# KiCad board fitis.kicad_pcb
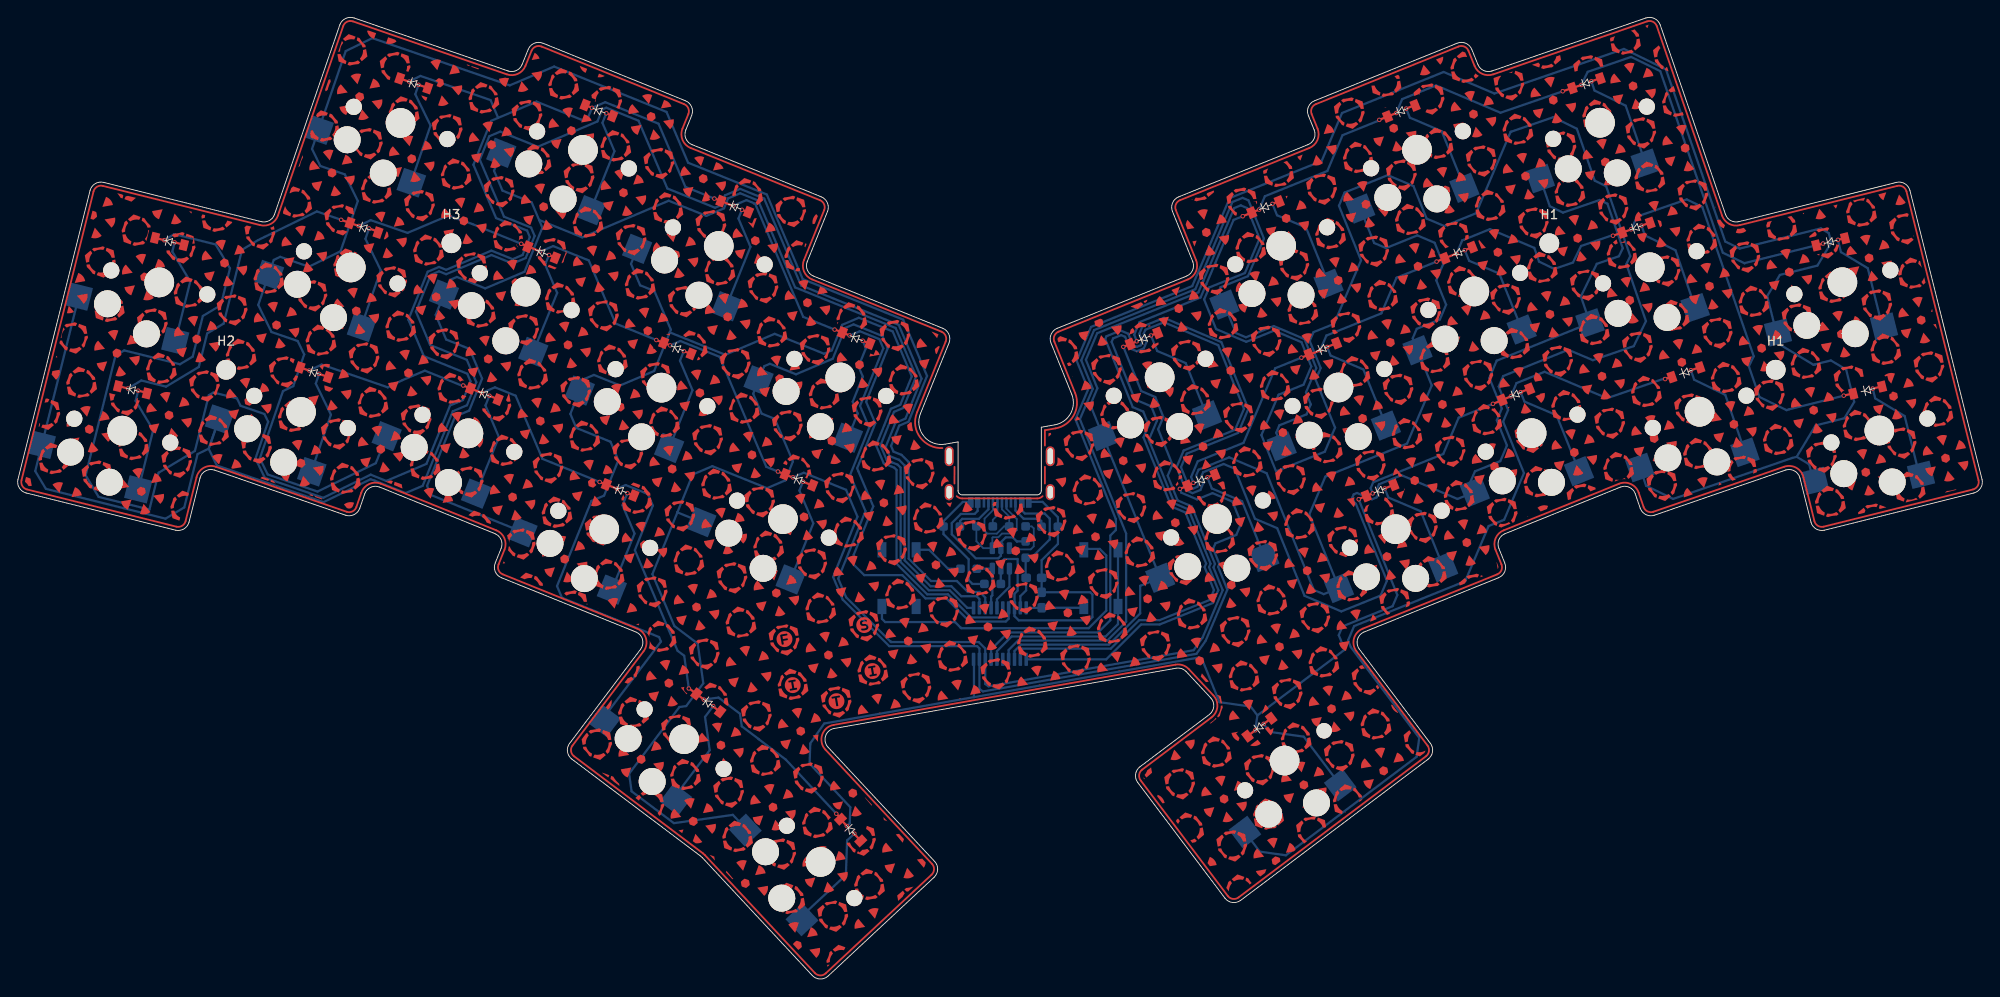
[diagram p0: board, top side]
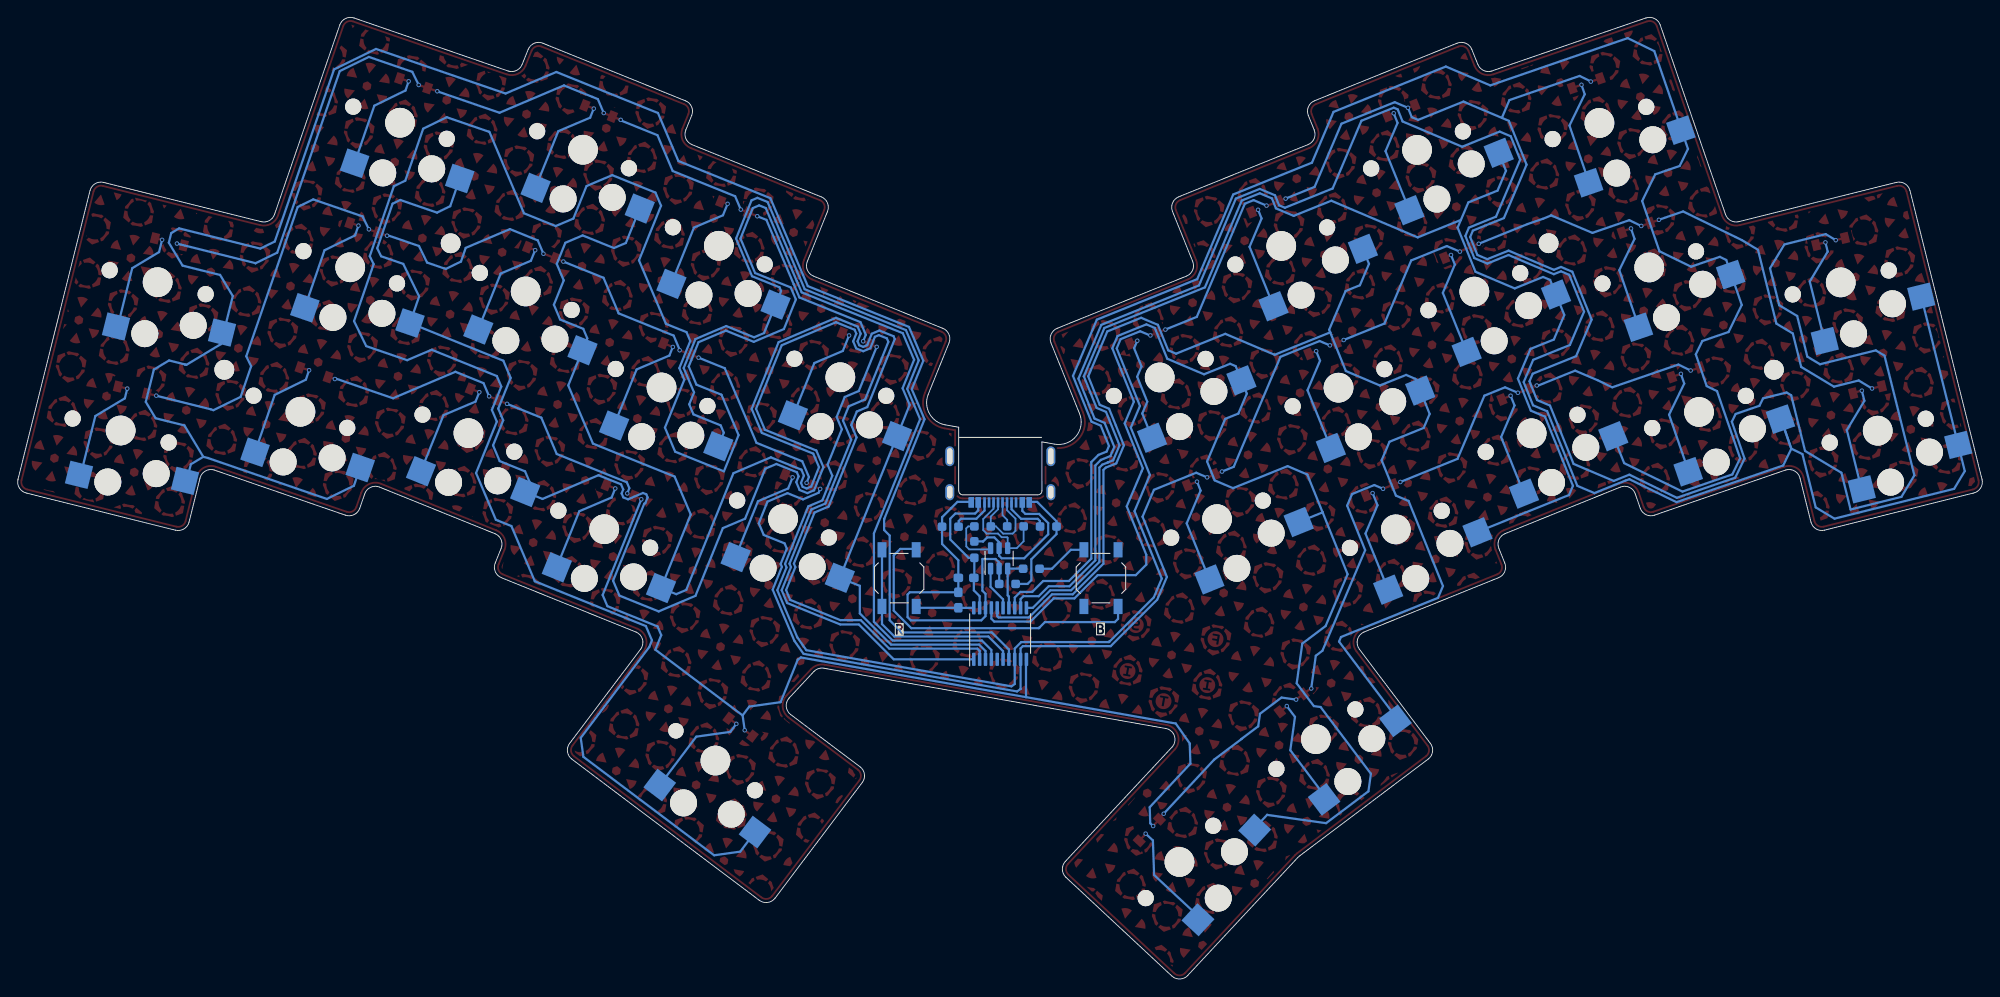
[diagram p1: board, bottom side, seen from below]

Outline 218.32 x 106.9 mm; copper layers: Top, Bottom. Coordinates in mm from the lower left corner of the outline.
Outline path: 0.91,54.06 arc(0.14,54.63) 0,55.58 8.01,87.7 arc(8.58,88.46) 9.52,88.61 27.03,84.24 arc(27.93,84.36) 28.51,85.05 ; 0.91,54.06 17.5,49.93 arc(18.45,50.07) 19.02,50.84 20.24,55.72 arc(20.85,56.52) 21.86,56.6 36.4,51.59 arc(37.36,51.65) 37.99,52.37 38.54,53.97 arc(39.21,54.7) 40.19,54.72 53.02,49.54 arc(53.7,48.87) 53.71,47.91 53.05,46.27 arc(53.05,45.31) 53.74,44.64 68.68,38.6 arc(69.42,37.78) 69.21,36.69 61.32,26.21 arc(61.08,25.28) 61.56,24.46 75.89,13.66 arc(75.97,13.59) 76.05,13.52 88.29,0.4 arc(89.16,0) 90.05,0.34 101.83,11.32 arc(102.23,12.19) 101.89,13.08 90.04,25.79 arc(89.77,27.04) 90.74,27.87 128.73,34.57 arc(129.34,34.53) 129.86,34.19 132.59,31.27 arc(132.92,30.31) 132.42,29.42 124.72,23.61 arc(124.23,22.78) 124.47,21.86 134.16,9 arc(134.98,8.51) 135.91,8.75 156.75,24.46 arc(157.24,25.28) 157,26.21 149.1,36.69 arc(148.9,37.78) 149.63,38.6 164.58,44.64 arc(165.26,45.31) 165.27,46.27 164.61,47.91 arc(164.62,48.87) 165.3,49.54 178.12,54.72 arc(179.11,54.7) 179.77,53.97 180.32,52.37 arc(180.96,51.65) 181.91,51.59 196.46,56.6 arc(197.46,56.52) 198.08,55.72 199.3,50.84 arc(199.87,50.07) 200.81,49.93 217.41,54.06 arc(218.17,54.63) 218.32,55.58 210.31,87.7 arc(209.74,88.46) 208.79,88.61 191.29,84.24 arc(190.39,84.36) 189.8,85.05 ; 28.51,85.05 35.77,106.12 arc(36.4,106.84) 37.36,106.9 54.47,101 arc(55.39,101.05) 56.04,101.72 56.71,103.4 ; 56.71,103.4 arc(57.39,104.08) 58.34,104.09 74.2,97.68 arc(74.88,97.01) 74.89,96.06 74.23,94.43 arc(74.24,93.48) 74.92,92.81 89.29,87 arc(89.98,86.33) 89.98,85.37 87.74,79.81 arc(87.75,78.85) 88.43,78.18 102.8,72.38 arc(103.48,71.71) 103.49,70.75 100.32,62.89 arc(100.69,60.38) 103.07,59.49 104.5,59.74 ; 104.5,59.74 104.5,54.32 ; 104.96,53.85 113.29,53.85 ; 113.75,61.37 115.25,61.64 arc(117,62.89) 117.13,65.04 114.83,70.75 arc(114.83,71.71) 115.52,72.38 129.89,78.18 arc(130.57,78.85) 130.58,79.81 128.33,85.37 arc(128.34,86.33) 129.02,87 143.39,92.81 arc(144.08,93.48) 144.08,94.43 143.43,96.06 arc(143.44,97.01) 144.12,97.68 159.97,104.09 arc(160.93,104.08) 161.6,103.4 162.28,101.72 arc(162.92,101.05) 163.85,101 180.96,106.9 arc(181.91,106.84) 182.54,106.12 189.8,85.05 ; 113.75,54.31 113.75,61.37
Stack: Top 0.035mm / dielectric 1.51mm FR4 er 4.5 / Bottom 0.035mm

## Placement (name value [footprint] x y rotation side)
C1  100nF  [C_0603_HandSolder]  113.79 42.15 90 bottom
C2  100nF  [C_0603_HandSolder]  112.93 44.62 0 bottom
D1  D_Small  [D_SOD-123]  43.99 99.63 341 top
D2  D_Small  [D_SOD-123]  64.57 96.6 338 top
D3  D_Small  [D_SOD-123]  79.67 85.91 338 top
D4  D_Small  [D_SOD-123]  93.17 71.29 338 top
D5  D_Small  [D_SOD-123]  38.46 83.56 341 top
D6  D_Small  [D_SOD-123]  58.2 80.84 338 top
D7  D_Small  [D_SOD-123]  73.3 70.15 338 top
D8  D_Small  [D_SOD-123]  86.8 55.53 338 top
D9  D_Small  [D_SOD-123]  12.72 65.54 346 top
D10  D_Small  [D_SOD-123]  32.92 67.49 341 top
D11  D_Small  [D_SOD-123]  51.83 65.07 338 top
D12  D_Small  [D_SOD-123]  66.93 54.39 338 top
D13  D_Small  [D_SOD-123]  16.84 82.03 346 top
D14  D_Small  [D_SOD-123]  76.73 30.72 323 top
D15  D_Small  [D_SOD-123]  92.56 16.57 313 top
D16  D_Small  [D_SOD-123]  137.99 28.01 37 top
D17  D_Small  [D_SOD-123]  125.17 71.24 22 top
D18  D_Small  [D_SOD-123]  138.67 85.87 22 top
D19  D_Small  [D_SOD-123]  153.77 96.55 22 top
D20  D_Small  [D_SOD-123]  174.34 99.64 19 top
D21  D_Small  [D_SOD-123]  179.87 83.56 19 top
D22  D_Small  [D_SOD-123]  160.14 80.79 22 top
D23  D_Small  [D_SOD-123]  145.04 70.11 22 top
D24  D_Small  [D_SOD-123]  131.53 55.48 22 top
D25  D_Small  [D_SOD-123]  151.41 54.34 22 top
D26  D_Small  [D_SOD-123]  166.5 65.03 22 top
D27  D_Small  [D_SOD-123]  185.41 67.49 19 top
D28  D_Small  [D_SOD-123]  205.6 65.5 14 top
D29  D_Small  [D_SOD-123]  201.49 82 14 top
H1  MountingHole  [MountingHole_2.2mm_M2]  195.38 67.77 0 top
H1#2  MountingHole  [MountingHole_2.2mm_M2]  170.22 81.84 0 top
H2  MountingHole  [MountingHole_2.2mm_M2]  23.13 67.77 0 top
H3  MountingHole  [MountingHole_2.2mm_M2]  48.18 81.84 0 top
J1  USB_C_Receptacle_USB2.0  [USB-C-12-Pin-MidMount]  109.13 60.25 180 bottom
R1  0R  [R_0603_HandSolder]  107.45 50.35 0 bottom
R2  5.1k  [R_0603_HandSolder]  103.79 50.33 180 bottom
R3  5.1k  [R_0603_HandSolder]  114.68 50.31 0 bottom
R4  10k  [R_0603_HandSolder]  105.68 45.64 180 bottom
R5  0R  [R_0603_HandSolder]  111.1 50.35 0 bottom
R6  0R  [R_0603_HandSolder]  112.01 47.76 90 bottom
R7  0R  [R_0603_HandSolder]  108.33 43.95 180 bottom
SW1  SW_Push  [ChocV1_V2_Hotswap_3d]  42.53 95.22 341 top
SW2  SW_Push  [ChocV1_V2_Hotswap_3d]  62.8 92.22 338 top
SW3  SW_Push  [ChocV1_V2_Hotswap_3d]  77.9 81.54 338 top
SW4  SW_Push  [ChocV1_V2_Hotswap_3d]  91.4 66.91 338 top
SW5  SW_Push  [ChocV1_V2_Hotswap_3d]  36.99 79.15 341 top
SW6  SW_Push  [ChocV1_V2_Hotswap_3d]  56.43 76.46 338 top
SW7  SW_Push  [ChocV1_V2_Hotswap_3d]  71.53 65.77 338 top
SW8  SW_Push  [ChocV1_V2_Hotswap_3d]  85.03 51.15 338 top
SW9  SW_Push  [ChocV1_V2_Hotswap_3d]  11.59 60.99 346 top
SW10  SW_Push  [ChocV1_V2_Hotswap_3d]  31.46 63.07 341 top
SW11  SW_Push  [ChocV1_V2_Hotswap_3d]  50.06 60.7 338 top
SW12  SW_Push  [ChocV1_V2_Hotswap_3d]  65.16 50.01 338 top
SW13  SW_Push  [ChocV1_V2_Hotswap_3d]  74.05 26.68 323 top
SW14  SW_Push  [ChocV1_V2_Hotswap_3d]  89.21 13.02 313 top
SW15  SW_Push  [ChocV1_V2_Hotswap_1.5u_3d]  140.79 24.3 37 top
SW16  SW_Push  [ChocV1_V2_Hotswap_3d]  202.79 77.51 14 top
SW17  SW_Push  [ChocV1_V2_Hotswap_3d]  153.15 50.03 22 top
SW18  SW_Push  [ChocV1_V2_Hotswap_3d]  168.25 60.72 22 top
SW19  SW_Push  [ChocV1_V2_Hotswap_3d]  186.92 63.09 19 top
SW20  SW_Push  [ChocV1_V2_Hotswap_3d]  206.91 61.01 14 top
SW21  SW_Push  [ChocV1_V2_Hotswap_3d]  133.28 51.17 22 top
SW22  SW_Push  [ChocV1_V2_Hotswap_3d]  146.78 65.79 22 top
SW23  SW_Push  [ChocV1_V2_Hotswap_3d]  161.88 76.48 22 top
SW24  SW_Push  [ChocV1_V2_Hotswap_3d]  181.39 79.17 19 top
SW25  SW_Push  [ChocV1_V2_Hotswap_3d]  126.91 66.93 22 top
SW26  SW_Push  [ChocV1_V2_Hotswap_3d]  140.41 81.56 22 top
SW27  SW_Push  [ChocV1_V2_Hotswap_3d]  155.51 92.24 22 top
SW28  SW_Push  [ChocV1_V2_Hotswap_3d]  175.85 95.24 19 top
SW29  SW_Push  [ChocV1_V2_Hotswap_3d]  15.7 77.48 346 top
SW30  BOOT  [SW_SPST_TL3342]  97.93 44.59 90 bottom
SW31  RESET  [SW_SPST_TL3342]  120.38 44.59 90 bottom
U1  USBLC6-2SC6  [SOT-23-6]  109.26 46.79 90 bottom
U2  ~  [TSSOP-20_4.4x6.5mm_P0.65mm]  109.14 38.42 90 bottom

## Library data of the parts
C1 C2 = -: Description: Unpolarized capacitor; LCSC: C1525
D1-D29 = -: Description: Diode, small symbol; Sim.Device: D; Sim.Pins: 1=K 2=A
H1 H1#2 H2 H3 = -: Description: Mounting Hole without connection
J1 = -: Description: USB 2.0-only Type-C Receptacle connector
R1-R3 R5-R7 = -: Description: Resistor
R4 = -: Description: Resistor; LCSC: C25744
SW1-SW29 = -: Description: Push button switch, generic, two pins
SW30 SW31 = -: Description: Push button switch, generic, two pins; LCSC: C115357
U1 = -: Description: Very low capacitance ESD protection diode, 2 data-line, SOT-23-6; JLCPCB_CORRECTION: 0; 0; 270; LCSC: C2687116
U2 = -: JLCPCB_CORRECTION: 0; 0; 270; LCSC: C111367

## Footprints (pads in the part's own frame, mm; a bottom-side part is the same pattern mirrored in y, then rotated)
C_0603_HandSolder
  rrect 1.075x0.95 smd: 1(-0.863,0) 2(0.863,0)
ChocV1_V2_Hotswap_1.5u_3d
  round 1.8 hole 1.8 unplated: (-5.5,0)
  round 3 hole 3 unplated: (-5,-3.7) (0,-5.9)
  round 3.3 hole 3.3 unplated: (0,0)
  round 1.71 hole 1.71 unplated: (5.5,0)
  rect 2.6x2.6 smd far side: 1(-8.3,-3.7) 2(3.3,-5.9)
ChocV1_V2_Hotswap_3d
  round 1.8 hole 1.8 unplated: (-5.5,0) (5.5,0)
  round 3 hole 3 unplated: (-5,-3.7) (0,-5.9)
  round 3.3 hole 3.3 unplated: (0,0)
  rect 2.6x2.6 smd far side: 1(-8.3,-3.7) 2(3.3,-5.9)
D_SOD-123
  rect 0.9x1.2 smd: 1(-1.65,0) 2(1.65,0)
MountingHole_2.2mm_M2
  round 2.2 hole 2.2 unplated: (0,0)
R_0603_HandSolder
  rrect 0.975x0.95 smd: 1(-0.912,0) 2(0.912,0)
SOT-23-6
  rrect 1.325x0.6 smd: 1(-1.137,0.95) 2(-1.137,0) 3(-1.137,-0.95) 4(1.137,-0.95) 5(1.137,0) 6(1.137,0.95)
SW_SPST_TL3342
  rect 1.7x1 smd: 1(-3.15,1.9) 1(3.15,1.9) 2(-3.15,-1.9) 2(3.15,-1.9)
TSSOP-20_4.4x6.5mm_P0.65mm
  rrect 1.475x0.4 smd: 1(-2.862,2.925) 2(-2.862,2.275) 3(-2.862,1.625) 4(-2.862,0.975) 5(-2.862,0.325) 6(-2.862,-0.325) 7(-2.862,-0.975) 8(-2.862,-1.625) 9(-2.862,-2.275) 10(-2.862,-2.925) 11(2.862,-2.925) 12(2.862,-2.275) 13(2.862,-1.625) 14(2.862,-0.975) 15(2.862,-0.325) 16(2.862,0.325) 17(2.862,0.975) 18(2.862,1.625) 19(2.862,2.275) 20(2.862,2.925)
USB-C-12-Pin-MidMount
  rect 0.6x1.15 smd: A1(3.225,-7.235) A4(2.45,-7.235) A9(-2.45,-7.235) A12(-3.225,-7.235) B1(-3.225,-7.235) B4(-2.45,-7.235) B9(2.45,-7.235) B12(3.225,-7.235)
  rect 0.3x1.15 smd: A5(1.25,-7.235) A6(0.25,-7.235) A7(-0.25,-7.235) A8(-1.25,-7.235) B5(-1.75,-7.235) B6(-0.75,-7.235) B7(0.75,-7.235) B8(1.75,-7.235)
  oval 1x1.8 hole 0.6x1.4: S1(-5.62,-6.1) S1(5.62,-6.1)
  oval 1x2.2 hole 0.6x1.8: S1(-5.62,-2.1) S1(5.62,-2.1)

## Nets
+3.3V: C1.1 SW30.2 SW31.2 U2.20
GND: C1.2 C2.2 J1.A1 J1.A12 J1.B1 J1.B12 R2.2 R3.2 R7.1 R7.2 U1.2 U2.18
VBUS: C2.1 J1.A4 J1.A9 J1.B4 J1.B9 R6.1 R6.2 U1.5 U2.19
BOOT: R4.2 SW30.1
c1: SW9.1 SW10.1 SW29.1 U2.12
c2: SW1.1 SW5.1 SW11.1 U2.13
c3: SW2.1 SW6.1 SW12.1 U2.11
c4: SW3.1 SW7.1 SW13.1 U2.16
c5: SW4.1 SW8.1 SW14.1 U2.17
c6: SW15.1 SW21.1 SW25.1 U2.3
c7: SW22.1 SW26.1 U2.4
c8: SW17.1 SW23.1 SW27.1 U2.2
c9: SW18.1 SW24.1 SW28.1 U2.1
c10: SW16.1 SW19.1 SW20.1 U2.7
CC1: J1.A5 R2.1
CC2: J1.B5 R3.1
PORT+: J1.A6 J1.B6 R1.1 R1.2 U1.4
PORT-: J1.A7 J1.B7 R5.1 R5.2 U1.6
r1: D1.1 D2.1 D3.1 D4.1 D13.1 D17.1 D18.1 D19.1 D20.1 D29.1 U2.8
r2: D5.1 D6.1 D7.1 D8.1 D9.1 D21.1 D22.1 D23.1 D24.1 D28.1 U2.9
r3: D10.1 D11.1 D12.1 D14.1 D15.1 D16.1 D25.1 D26.1 D27.1 U2.10
RST: SW31.1 U2.6
UDM: U1.1 U2.15
UDP: R4.1 U1.3 U2.14
Net-(D1-A): D1.2 SW1.2
Net-(D2-A): D2.2 SW2.2
Net-(D3-A): D3.2 SW3.2
Net-(D4-A): D4.2 SW4.2
Net-(D5-A): D5.2 SW5.2
Net-(D6-A): D6.2 SW6.2
Net-(D7-A): D7.2 SW7.2
Net-(D8-A): D8.2 SW8.2
Net-(D9-A): D9.2 SW9.2
Net-(D10-A): D10.2 SW10.2
Net-(D11-A): D11.2 SW11.2
Net-(D12-A): D12.2 SW12.2
Net-(D13-A): D13.2 SW29.2
Net-(D14-A): D14.2 SW13.2
Net-(D15-A): D15.2 SW14.2
Net-(D16-A): D16.2 SW15.2
Net-(D17-A): D17.2 SW25.2
Net-(D18-A): D18.2 SW26.2
Net-(D19-A): D19.2 SW27.2
Net-(D20-A): D20.2 SW28.2
Net-(D21-A): D21.2 SW24.2
Net-(D22-A): D22.2 SW23.2
Net-(D23-A): D23.2 SW22.2
Net-(D24-A): D24.2 SW21.2
Net-(D25-A): D25.2 SW17.2
Net-(D26-A): D26.2 SW18.2
Net-(D27-A): D27.2 SW19.2
Net-(D28-A): D28.2 SW20.2
Net-(D29-A): D29.2 SW16.2

Pads without a net: J1 A8 B8 S1; U2 5

## Via types
v1: diameter 0.5, hole 0.3, Top to Bottom, 78 vias

## Routing (per net, layer and track width the routed paths; a pad name or vN(x,y) marks a point on that pad's centre or on a via; arc(x,y) is an arc through that point)
+3.3V: length 43
  Bottom w0.25: SW30.2 96.03,40.06 96.39,39.7 104.16,39.7 104.78,39.09 104.78,39.09 104.84,39.02 119.02,39.02 120.97,40.97 120.97,47.11 120.24,47.84 118.48,47.84 ; 118.48,41.54 118.23,41.29 113.64,41.29 113.63,41.28 U2.20
GND: length 55
  Bottom w0.25: R7.1 109.25,45.64 U1.2 109.26,46.33 109.65,46.72 111.12,46.72 111.12,43.2 110.77,42.85 U2.18 110.77,40.36 111.24,39.89 119.07,39.89 119.43,40.25 119.43,42.77 119.19,43.02 113.64,43.02 113.79,43.17 C2.2 113.79,46.58 115.59,48.39 R3.2 115.59,51.37 113.89,53.07 112.35,53.07 ; 105.9,53.07 105.03,53.07 102.88,50.92 R2.2 102.88,49.48 105.68,46.69 105.68,44.37 106.1,43.95 R7.2
VBUS: length 33.1
  Bottom w0.25: R6.2 111.05,48.68 111.04,48.66 110.58,49.12 109.79,49.12 109.26,48.59 U1.5 109.26,47.08 108.98,46.8 106.47,46.8 103.8,49.46 103.8,50.72 104.81,51.73 106.34,51.73 106.68,52.07 J1.A4 ; U2.19 111.42,42.58 112.06,43.23 C2.1 112.01,44.68 R6.1 112.65,46.85 114.69,48.89 114.69,51.2 114.12,51.78 111.93,51.78 111.58,52.13 111.58,53.07
BOOT: length 5.8
  Bottom w0.25: SW30.1 101.28,47.74 103.39,45.64 R4.2
c1: length 238.3
  Bottom w0.25: SW29.1 SW9.1 1.92,56.5 3.1,54.52 16.4,51.21 18.48,52.46 19.96,58.39 21.21,59 22.34,62.3 21.2,58.98 22.1,57.12 33.95,53.04 39.19,55.59 39.64,55.44 43.08,54.05 44.98,54.86 48.34,63.18 48.37,63.17 49.91,63.82 50.94,66.39 49.89,68.87 45.81,70.52 44.23,74.23 45.89,78.33 46.8,78.72 47.6,78.4 52.63,80.53 54.99,79.58 56.44,80.19 57.43,82.65 57.04,83.58 54.02,84.79 51.33,91.13 52.39,93.74 53.61,94.26 57.78,92.57 64.41,95.39 64.95,96.73 65.39,96.92 68.98,95.47 72.18,87.93 77.48,85.79 78.14,86.06 78.58,87.17 80.27,87.89 82.94,86.81 87.04,77.15 97.9,72.76 100.44,66.78 98.65,62.34 97.53,61.86 96.45,59.18 96.88,58.17 97.94,57.74 98.56,57.12 98.56,46.57 101.44,43.69 103.75,43.69 104.85,42.58 106.55,42.58 106.87,42.26 U2.12
c2: length 195.3
  Bottom w0.25: SW11.1 39.77,57.38 33.29,54.22 27.76,56.12 26.88,57.92 29.46,65.39 30.6,65.95 31.81,69.48 31.09,70.96 28.17,71.97 26.71,74.97 28.43,79.98 29.14,80.33 32.33,79.23 35.85,80.95 37.78,86.54 36.33,89.5 33.61,90.43 32.68,92.33 36.43,103.21 39.38,104.65 54.65,99.4 59.59,101.49 72.09,96.45 74.48,90.8 83.24,87.26 87.23,77.85 98.39,73.34 101.05,67.08 98.99,61.99 97.96,61.55 97.04,59.29 97.31,58.66 98.21,58.3 99.01,57.5 99.01,46.76 101.49,44.27 104.36,44.27 105.58,43.06 106.89,43.06 107.52,42.43 U2.13
c3: length 153.6
  Bottom w0.25: SW2.1 52.91,89.9 53.85,87.69 57.1,86.38 57.93,84.43 ; 57.93,84.43 62.72,82.49 72.33,86.57 76.51,84.88 78.48,85.72 78.93,86.83 80.28,87.4 82.28,86.59 86.38,76.93 97.56,72.41 99.84,67.04 98.42,63.53 97.38,63.08 95.87,59.36 96.58,57.7 97.18,57.46 97.78,57.21 98.11,56.88 98.11,46.38 101.26,43.24 103.56,43.24 105.51,41.28 U2.11 ; 57.93,84.43 58.29,83.58 56.31,78.67 51.94,76.82 48.79,78.09 48.01,77.76 46.43,73.86 47.59,71.13 50.19,70.08 51.59,66.78 50.15,63.22 48.58,62.55 45.47,54.86 45.9,53.84 56.06,49.73 SW12.1
c4: length 149
  Bottom w0.25: SW3.1 68.14,79.55 69.15,77.16 70.74,76.52 72.57,72.22 72.45,71.92 ; U2.16 109.47,40.37 109.32,40.21 105.95,40.21 103.38,42.79 101.07,42.79 97.66,46.2 97.66,56.63 97.41,56.88 96.24,57.35 95.38,59.36 96.28,61.56 97.03,63.43 98.07,63.87 99.35,67.03 97.23,72.03 93.46,73.55 91.61,72.76 90.46,69.93 89.58,69.55 84.11,71.76 78.62,69.43 72.46,71.93 72.45,71.92 ; 72.45,71.92 70.71,67.63 66.92,66.02 64.01,67.19 62.97,66.75 SW7.1 61.4,62.86 62.06,61.29 65.86,59.76 66.74,57.7 65.15,53.77 63.74,53.17 59.92,43.71 60.47,42.39 71.26,38.04 71.47,37.53 65.08,29.05
c5: length 149.2
  Bottom w0.25: U2.17 110.12,40.08 109.81,39.76 105.76,39.76 103.19,42.34 100.88,42.34 98.3,44.92 94.06,44.92 92.9,46.09 92.9,47.19 95.07,52.57 93.41,56.48 93.28,56.8 95.3,61.81 94.28,64.22 96.67,70.15 96.09,71.52 92.88,72.82 91.95,72.42 90.57,69 86.48,67.26 83.58,68.43 82.96,68.17 SW4.1 81.72,65.11 82.66,62.89 84.13,62.3 86.14,57.56 85.29,55.46 83.25,54.6 77.19,57.05 75,56.12 73.3,51.9 ; 73.3,51.9 70.52,45.03 72.97,39.26 75.56,37.3 76.18,32.89 74.27,30.36 73.52,30.25 67.93,22.84 68.2,20.88 72.91,17.34 79.46,18.26 79.47,18.25 80.73,16.9 ; 73.3,51.9 73.3,51.9 ; 73.3,51.9 73.3,51.9 ; 73.3,51.9 SW8.1
c6: length 316.9
  Bottom w0.25: U2.3 110.77,36.49 111.48,37.2 121.27,37.2 124.74,40.67 124.74,43.73 124.74,43.73 SW21.1 SW25.1 119.2,63.85 119.99,65.71 118.7,68.88 119.96,71.84 131.21,76.38 131.73,77.62 131.74,77.62 135.2,85.76 135.92,86.05 136.64,85.75 138.01,82.36 136.38,78.52 132.42,76.92 131.85,75.59 133.18,72.3 136.53,70.87 139.63,72.12 142.67,70.83 143.76,68.13 142.9,66.11 140.12,64.99 138.22,60.5 139.85,56.47 145.27,58.66 146.4,61.33 144.25,66.65 144.8,67.95 143.59,70.96 144.01,71.95 146.29,72.88 149.29,79.94 146.83,86.01 147.46,87.48 152.25,89.41 155.12,88.2 156.58,84.58 158.54,83.75 162.07,85.18 165.91,94.22 165.98,94.25 170.65,95.86 173.28,94.58 175.27,88.8 176.54,88.18 179.22,80.4 178.78,79.51 180.96,73.18 179.61,70.4 175.05,68.83 172.32,69.99 165.09,67.07 164.59,65.9 165.64,63.3 165.09,62 167.4,56.28 165.2,51.08 163.47,50.39 160.87,44.25 148.52,39.26 147.85,37.67 148.15,36.93 155.76,26.82 155.47,24.71 140.93,13.76 138.03,14.17 SW15.1
c7: length 115.3
  Bottom w0.25: U2.4 110.12,36.6 111.17,37.65 121.08,37.65 123.17,39.74 123.17,49.56 118.04,62.27 119.47,65.65 118.19,68.82 119.62,72.18 130.87,76.73 131.39,77.96 131.4,77.97 134.99,86.43 136.13,86.89 136.78,86.61 138.5,82.36 136.72,78.18 133.67,76.94 133.49,76.52 SW26.1 135.38,71.85 136.49,71.38 139.59,72.63 143.02,71.17 144.32,67.96 143.17,65.25 143.7,63.92 143.23,62.81 140.21,61.59 139.86,60.76 SW22.1
c8: length 183.7
  Bottom w0.25: SW27.1 150.75,81.86 152.07,81.31 155.55,82.71 157.47,81.89 158.43,79.53 157.65,77.71 158.75,75 158.05,73.36 155.48,72.32 155.03,71.26 SW23.1 157.15,66.02 154.41,59.56 145.33,55.89 143.54,51.67 SW17.1 145.14,42.81 144.04,43.28 138.8,56.26 134.63,58.03 131.23,56.65 130.95,55.99 131.28,55.18 131.09,54.74 130.65,54.57 130.14,54.78 129.28,56.93 129.92,58.44 135.63,60.75 136.76,63.42 133.77,70.84 127.39,73.54 124.98,72.57 124.65,71.79 124.99,70.93 124.81,70.49 124.36,70.32 123.93,70.5 123.41,71.77 122.57,72.13 120.99,71.5 120.86,71.18 123.91,63.61 125.08,63.12 125.69,61.61 125.11,60.24 128.21,52.55 129.78,51.89 132.07,46.21 131.9,45.82 132.94,43.26 132.48,42.17 126.91,39.92 124.64,39.92 121.47,36.75 111.67,36.75 111.42,36.5 U2.2
c9: length 210.1
  Bottom w0.25: SW28.1 170.27,85.96 171.73,85.25 175.82,86.65 176.68,86.23 178.38,81.28 177.95,80.39 175.49,79.54 173.73,75.92 SW24.1 164.37,68.78 163.56,66.86 164.93,63.45 164.38,62.15 165.51,59.35 164.77,57.61 161.95,56.47 161.47,55.33 SW18.1 160.01,53.4 153.79,56.04 151.28,55.03 151.04,54.45 151.22,54.01 151.03,53.57 150.5,53.36 148.84,54.06 148.48,53.91 148.33,53.56 148.58,52.92 148.71,52.87 152.17,44.31 151.47,42.65 147.1,40.89 143.01,42.62 139.97,50.15 137.5,51.2 135.25,56.77 134.01,57.29 131.74,56.37 131.54,55.91 131.8,55.27 131.44,54.4 130.57,54.05 129.83,54.36 128.79,56.93 129.58,58.79 135.29,61.1 136.28,63.42 133.42,70.49 127.38,73.06 125.32,72.22 125.13,71.78 125.48,70.93 125.15,70.15 124.36,69.83 123.58,70.16 123.06,71.43 122.63,71.62 121.73,71.26 121.57,70.87 124.15,64.47 125.97,63.7 126.61,62.12 125.7,59.97 128.56,52.89 130.12,52.23 132.56,46.2 132.39,45.81 133.43,43.25 132.82,41.83 126.9,39.43 124.85,39.43 120.97,35.56 U2.1
c10: length 222.8
  Bottom w0.25: 197.72,58.08 199.82,61.58 203.02,62.38 204.11,64.19 203.22,67.78 201.52,68.8 199.77,68.37 199.76,68.35 199.6,68.31 195.77,70.61 194.44,75.97 195.85,78.31 200.02,79.35 201.55,81.9 201.29,82.97 200.41,83.49 191.38,81.25 189.78,82.03 183.18,101.18 178.52,103.45 164.12,98.49 158.47,100.89 147.18,96.33 144.91,90.99 134.69,86.86 131.06,78.32 131.05,78.31 130.52,77.08 119.28,72.53 117.68,68.77 118.96,65.6 117.55,62.26 122.02,51.19 122.04,51.17 122.04,49.94 121.42,49.32 121.42,39.9 120.07,38.55 110.07,38.55 108.17,36.65 U2.7 ; 197.72,58.08 197.21,57.96 183.98,53.4 180.98,54.86 SW19.1 ; 197.72,58.08 199.11,57.25 199.57,55.39
CC1: length 5.1
  Bottom w0.25: 107.88,53.07 107.88,52.25 106.81,51.19 104.97,51.19 104.73,50.95 104.73,50.35
CC2: length 4.9
  Bottom w0.25: 110.88,53.07 110.88,52.11 111.79,51.2 113.5,51.2 113.75,50.95 113.75,50.33
PORT+: length 14.5
  Bottom w0.2: R1.2 108.36,51.08 108.88,51.6 108.88,53.07 ; R1.1 106.53,48.69 107.3,47.92 U1.4 108.31,49.08 108.37,49.14 108.97,49.14 109.38,49.55 110.64,49.55 111.03,49.94 111.03,51.16 109.88,52.31 109.88,53.07
PORT-: length 15.8
  Bottom w0.2: 109.38,53.07 109.38,52.25 110.18,51.44 R5.1 109.61,50.35 108.8,49.54 107.76,49.54 107.44,49.86 107.44,51.21 108.38,52.15 108.38,53.07 ; R5.2 112.69,50.35 112.91,50.12 112.91,48.12 112.58,47.79 110.34,47.79 U1.6
r1: length 458.5
  Top w0.25: v1(171.71,98.74) 172.77,99.11 D20.1 173.77,99.44 v1(173.77,99.44) ; v1(16.25,82.18) 16.25,82.18 D13.1 ; v1(63.81,96.9) D2.1 ; v1(92.44,71.59) D4.1 90.8,72.25 v1(90.77,72.24) ; v1(137.97,85.59) D18.1 137.14,85.25 v1(136.14,84.85) ; v1(122.87,70.32) D17.1 124.36,70.92 v1(124.37,70.94) ; v1(43.48,99.82) 43.47,99.81 42.42,100.18 ; v1(153.2,96.32) 153.2,96.32 D19.1 v1(151.32,95.56) ; v1(79.53,86.03) 79.46,86 D3.1 77.44,86.81 v1(77.41,86.8) ; v1(200.65,81.8) 200.64,81.78 D29.1
  Bottom w0.25: v1(136.14,84.85) 135.12,84.44 132.08,77.27 132.07,77.27 131.45,75.81 124.67,73.07 124.08,71.67 v1(124.37,70.94) ; v1(122.87,70.32) 124.85,65.4 126.42,64.74 127.32,62.51 126.74,61.15 128.32,57.22 127.8,55.98 128.91,53.23 130.47,52.57 133.05,46.17 132.89,45.78 133.91,43.25 131.69,38 130.69,36.58 107.88,32.55 107.51,32.81 ; 53.35,95.77 57.48,97.53 57.64,97.6 62.67,95.56 63.39,95.87 v1(63.81,96.9) 65.28,97.53 71.2,95.13 74.19,88.1 v1(77.41,86.8) ; 53.35,95.77 52.59,95.45 50.62,90.58 53.15,84.64 56.59,83.25 56.89,82.53 56.09,80.54 54.98,80.07 52.62,81.02 47.59,78.88 46.8,79.2 45.54,78.67 43.39,73.35 45.12,69.27 49.94,67.33 50.3,66.48 49.46,64.4 49.2,64.29 48.02,63.79 45.4,57.3 40.93,55.4 39.21,56.1 39.12,56.06 33.92,53.53 27.43,55.76 26.4,57.89 27.81,61.99 27.39,62.85 24.74,63.76 24.34,64.58 21.72,65.24 21.21,64.93 19.67,58.74 15.63,56.31 14.61,52.22 8.96,53.63 7.52,56.03 10.84,69.34 11.81,69.92 18,68.38 19.42,69.23 20.55,73.75 22.54,74.95 23.57,79.05 21.97,81.7 17.37,82.85 16.25,82.18 v1(16.25,82.18) ; 53.35,95.77 53.36,95.81 52.53,97.76 44.73,100.45 43.49,99.85 v1(43.48,99.82) ; v1(200.65,81.8) 191.93,79.63 191.92,79.61 189.5,80.79 182.55,100.98 179.31,102.57 174.49,100.9 v1(173.77,99.44) ; v1(137.97,85.59) 138.6,87.07 145.54,89.87 147.23,93.86 151.3,95.5 v1(151.32,95.56) ; v1(171.71,98.74) 171.71,98.74 164.79,96.36 157.63,99.39 154.48,98.12 153.86,97.87 v1(153.2,96.32) ; v1(90.77,72.24) 87.29,73.64 81.94,86.24 80.97,86.64 v1(79.53,86.03) ; 107.52,32.82 U2.8 107.52,36.76 106.8,37.48 97.04,37.48 97.01,37.54 96.95,37.56 92.06,42.46 91.17,44.54 94.21,52.04 92.5,56.07 94.62,61.33 93.6,63.74 96.19,70.15 95.75,71.17 93.57,72.05 92.46,71.58 v1(92.44,71.59)
r2: length 306.3
  Top w0.25: v1(129.14,54.52) 129.15,54.52 D24.1 130.63,55.12 v1(130.66,55.19) ; v1(35.91,84.45) 35.92,84.43 36.88,84.1 37.88,83.76 v1(37.88,83.76) ; v1(72.49,70.48) D7.1 71.74,70.76 v1(70.95,71.08) ; v1(157.69,79.8) 159.88,80.69 v1(159.91,80.67) ; v1(202.95,64.89) 203.94,65.14 D28.1 ; v1(55.94,81.78) 58.03,80.94 v1(58.04,80.91) ; v1(84.48,56.44) 86.11,55.79 v1(86.13,55.8) ; v1(144.77,69.94) 143.52,69.44 143.49,69.45 v1(142.66,69.11) ; v1(177.29,82.68) D21.1 179.3,83.37 v1(179.31,83.39) ; v1(12.22,65.69) 11.15,65.95 D9.1
  Bottom w0.25: v1(12.22,65.69) 13.7,66.57 16.45,65.89 20.1,68.08 21.03,71.81 22.86,72.9 24.9,81.12 26.7,82.19 27.4,82.54 33.22,85.38 v1(35.91,84.45) ; v1(130.66,55.19) 130.4,55.84 131.14,57.59 136.23,59.64 139.75,67.94 v1(142.66,69.11) ; v1(37.88,83.76) 39.2,84.41 43.3,82.99 47.88,84.93 48.81,84.56 50.52,83.97 v1(55.94,81.78) ; 91.68,42.19 90.61,44.72 93.32,51.43 92.05,54.41 87.34,56.31 v1(86.13,55.8) ; v1(58.04,80.91) 59.49,81.53 63.45,79.93 66.43,72.9 v1(70.95,71.08) ; v1(179.31,83.39) 180.01,84.83 185.5,86.72 187.22,85.87 192.94,69.27 192.4,68.15 193.57,64.75 196.59,63.27 196.89,63.37 202.94,64.88 v1(202.95,64.89) ; v1(157.69,79.8) 157.69,79.8 153.23,78 151.55,74.04 145.44,71.57 144.76,69.97 v1(144.77,69.94) ; v1(72.49,70.48) 73.63,70.97 77.99,69.21 83.18,56.97 v1(84.48,56.44) ; 91.69,42.19 96.85,37.03 106.62,37.03 106.87,36.77 U2.9 106.87,32.26 106.87,32.26 107.26,31.99 131,36.17 132.01,37.62 134.43,43.31 133.4,45.84 133.54,46.17 132.85,47.87 133.1,48.46 135.42,49.39 135.97,50.7 135,53.1 132.78,54.04 131.06,53.35 129.32,54.09 v1(129.14,54.52) ; v1(159.91,80.67) 160.54,82.16 163.63,83.41 168.55,81.32 169.07,79.8 170.77,78.98 172.85,79.69 173.74,81.53 177.2,82.72 v1(177.29,82.68)
r3: length 243.4
  Top w0.25: v1(149.03,53.36) 149.04,53.39 D25.1 v1(150.59,54.02) ; v1(51.59,65.21) 51.55,65.19 v1(49.5,66.02) ; v1(64.65,55.29) 65.37,55 D12.1 v1(66.58,54.53) ; v1(32.38,67.68) 32.37,67.68 31.35,68.03 ; v1(92.14,17.02) 92.14,17.02 D15.1 91.43,17.88 v1(90.96,18.38) ; v1(183.09,66.74) 183.8,66.98 D27.1 ; v1(74.57,32.31) 74.61,32.32 D14.1 76.24,31.09 v1(76.24,31.08) ; v1(137.54,27.67) 136.67,27.02 ; v1(165.95,64.81) 165.94,64.8 D26.1 164.96,64.38 v1(163.96,63.98)
  Bottom w0.25: v1(92.14,17.02) 92.46,17.32 92.52,19.11 87.99,23.96 88.07,26.08 88.05,26.18 89.62,28.42 106.27,31.36 ; v1(137.54,27.67) 137.77,29.32 ; 137.77,29.32 147.47,36.63 146.81,38.25 147.22,39.22 152.8,41.47 153.33,42.71 149.03,53.36 v1(149.03,53.36) ; 137.77,29.32 137.03,30.31 133.55,30.79 131.64,35.51 131.28,35.77 106.27,31.36 ; v1(51.59,65.21) 53.01,65.81 55.32,64.88 58.3,57.85 v1(64.65,55.29) ; 106.27,31.36 106.27,31.36 106.27,35.51 U2.10 ; v1(150.59,54.02) 150.36,54.6 150.64,55.25 158.43,58.4 160.14,62.44 v1(163.96,63.98) ; v1(32.38,67.68) 33.74,68.35 41.1,65.81 42.75,66.62 45.22,67.67 49.4,65.98 v1(49.5,66.02) ; v1(90.96,18.38) 85.35,24.41 82.32,26.68 82.32,26.7 80.46,28.11 80.26,29.5 77.86,31.31 v1(76.24,31.08) ; v1(66.58,54.53) 67.55,54.94 70.02,53.95 70.57,52.65 68.57,47.7 73.32,36.51 74.05,35.96 v1(74.57,32.31) ; v1(183.09,66.74) 182.99,66.79 176.63,64.6 169.69,67.54 166.57,66.28 v1(165.95,64.81)
RST: length 24
  Bottom w0.25: 122.28,47.84 122.28,39.48 120.9,38.1 110.45,38.1 108.82,36.47 U2.6
UDM: length 4.9
  Bottom w0.25: U2.15 108.82,42.23 110.21,43.62 U1.1
UDP: length 6.1
  Bottom w0.25: U2.14 108.17,42.53 108.17,42.54 108.31,42.68 U1.3 106.6,45.65 R4.1
Net-(D1-A): length 12.7
  Top w0.25: v1(44.52,99.46) 45.49,99.13
  Bottom w0.25: 43.68,88.59 45.86,94.93 44.16,98.41 v1(44.52,99.46)
Net-(D2-A): length 12.4
  Top w0.25: v1(65.4,96.29) 66.1,96.01 66.11,96
  Bottom w0.25: v1(65.4,96.29) 64.97,95.23 66.3,92.08 63.66,85.54
Net-(D3-A): length 12.4
  Top w0.25: v1(80.47,85.56) 81.18,85.27
  Bottom w0.25: v1(80.47,85.56) 80.08,84.59 81.42,81.44 78.74,74.81
Net-(D4-A): length 12.5
  Top w0.25: v1(93.89,71) D4.2
  Bottom w0.25: v1(93.89,71) 94.25,70.16 93.43,68.13 93.91,67 92.79,64.22 93.34,62.91 SW4.2
Net-(D5-A): length 12.9
  Top w0.25: v1(39.02,83.48) 40.02,83.14 40.04,83.1
  Bottom w0.25: 38.14,72.52 40.32,78.84 38.62,82.32 v1(39.02,83.48)
Net-(D6-A): length 12.4
  Top w0.25: v1(59.03,80.53) 59.74,80.25 59.74,80.24
  Bottom w0.25: 57.29,69.77 59.93,76.32 58.6,79.47 v1(59.03,80.53)
Net-(D7-A): length 12.5
  Top w0.25: 74.84,69.56 74.78,69.53 v1(74.01,69.84)
  Bottom w0.25: 72.39,59.09 74.98,65.49 73.58,68.78 v1(74.01,69.84)
Net-(D8-A): length 12.9
  Top w0.25: 88.34,54.93 88.28,54.91 v1(87.26,55.32)
  Bottom w0.25: 85.89,44.47 88.41,50.69 86.86,54.33 v1(87.26,55.32)
Net-(D9-A): length 12.8
  Top w0.25: 14.35,65.16 14.32,65.2 v1(13.36,65.45)
  Bottom w0.25: 13.38,54.46 15.03,61.06 13.07,64.31 v1(13.36,65.45)
Net-(D10-A): length 12.7
  Top w0.25: v1(33.47,67.31) 34.42,66.98
  Bottom w0.25: v1(33.47,67.31) 33.1,66.23 34.79,62.77 32.61,56.45
Net-(D11-A): length 12.8
  Top w0.25: v1(52.4,64.87) 53.37,64.48 53.37,64.48
  Bottom w0.25: v1(52.4,64.87) 51.96,63.79 53.46,60.28 50.92,54.01
Net-(D12-A): length 12.4
  Top w0.25: v1(67.74,54.05) 68.44,53.77
  Bottom w0.25: 66,43.28 68.53,49.55 67.19,52.7 v1(67.74,54.05)
Net-(D13-A): length 12.9
  Top w0.25: v1(17.41,81.94) 18.45,81.68 18.46,81.66
  Bottom w0.25: 17.49,70.95 19.15,77.58 17.15,80.91 v1(17.41,81.94)
Net-(D14-A): length 12.7
  Top w0.25: v1(77.28,30.36) 77.28,30.31 D14.2
  Bottom w0.25: 73.02,20.31 76.89,25.45 76.37,29.15 v1(77.28,30.36)
Net-(D15-A): length 12.9
  Top w0.25: v1(92.97,16.17) 92.97,16.13 D15.2
  Bottom w0.25: 87.04,6.91 92.03,11.57 92.16,15.42 v1(92.97,16.17)
Net-(D16-A): length 12.7
  Top w0.25: v1(138.46,28.38) 138.48,28.38 D16.2
  Bottom w0.25: v1(138.46,28.38) 139.14,27.49 142.92,26.96 SW15.2
Net-(D17-A): length 12.4
  Top w0.25: 126.64,71.92 126.61,71.85 v1(125.94,71.58)
  Bottom w0.25: 132.15,62.69 129.8,68.51 126.63,69.86 v1(125.94,71.58)
Net-(D18-A): length 12.4
  Top w0.25: v1(139.44,86.22) 140.17,86.52
  Bottom w0.25: 145.7,77.33 143.17,83.58 139.95,84.95 v1(139.44,86.22)
Net-(D19-A): length 12.7
  Top w0.25: v1(154.31,96.81) 155.27,97.2
  Bottom w0.25: v1(154.31,96.81) 154.72,95.8 158.26,94.3 160.8,88.01
Net-(D20-A): length 12.7
  Top w0.25: v1(174.89,99.85) 175.85,100.18
  Bottom w0.25: v1(174.89,99.85) 175.24,98.83 178.71,97.14 180.91,90.74
Net-(D21-A): length 12.7
  Top w0.25: v1(180.47,83.8) 181.4,84.12
  Bottom w0.25: 186.44,74.67 184.24,81.06 180.85,82.71 v1(180.47,83.8)
Net-(D22-A): length 12.5
  Top w0.25: v1(160.83,81.07) 161.62,81.39
  Bottom w0.25: v1(160.83,81.07) 161.3,79.89 164.66,78.47 167.17,72.25
Net-(D23-A): length 12.8
  Top w0.25: v1(145.52,70.3) 146.52,70.7
  Bottom w0.25: v1(145.52,70.3) 145.91,69.35 149.55,67.8 152.07,61.57
Net-(D24-A): length 12.5
  Top w0.25: v1(132.21,55.8) 133.04,56.13
  Bottom w0.25: 138.56,46.95 136.06,53.14 132.71,54.56 v1(132.21,55.8)
Net-(D25-A): length 12.7
  Top w0.25: v1(151.93,54.56) 152.89,54.96
  Bottom w0.25: v1(151.93,54.56) 152.33,53.55 155.92,52.03 158.44,45.81
Net-(D26-A): length 12.8
  Top w0.25: v1(167.03,65.27) 168,65.66
  Bottom w0.25: 173.53,56.49 171.02,62.71 167.46,64.23 v1(167.03,65.27)
Net-(D27-A): length 12.7
  Top w0.25: v1(185.96,67.71) 186.93,68.05
  Bottom w0.25: v1(185.96,67.71) 186.32,66.66 189.78,64.97 191.98,58.6
Net-(D28-A): length 12.7
  Top w0.25: v1(206.17,65.67) 207.17,65.92
  Bottom w0.25: 211.36,56.04 209.72,62.62 206.44,64.58 v1(206.17,65.67)
Net-(D29-A): length 12.3
  Top w0.25: v1(202.3,82.22) 203,82.39
  Bottom w0.25: 207.23,72.59 205.62,79.06 202.64,80.85 v1(202.3,82.22)

Small or netless copper shapes (teardrops, artwork), in the pictures only: 2987 on Top

## Text on the board
B.Silkscreen: B | R
